# Altium PCB Board.PcbDoc
Units mm, origin at the board's own origin, x right, y up, seen from the top; angles counter-clockwise.
Board outline 26.34 x 50 mm, 4 copper layers (Top Layer, PWR, GND, Bottom Layer), stack 0.603 mm thick; 93 components, 67 nets, 367 pads, 188 vias.
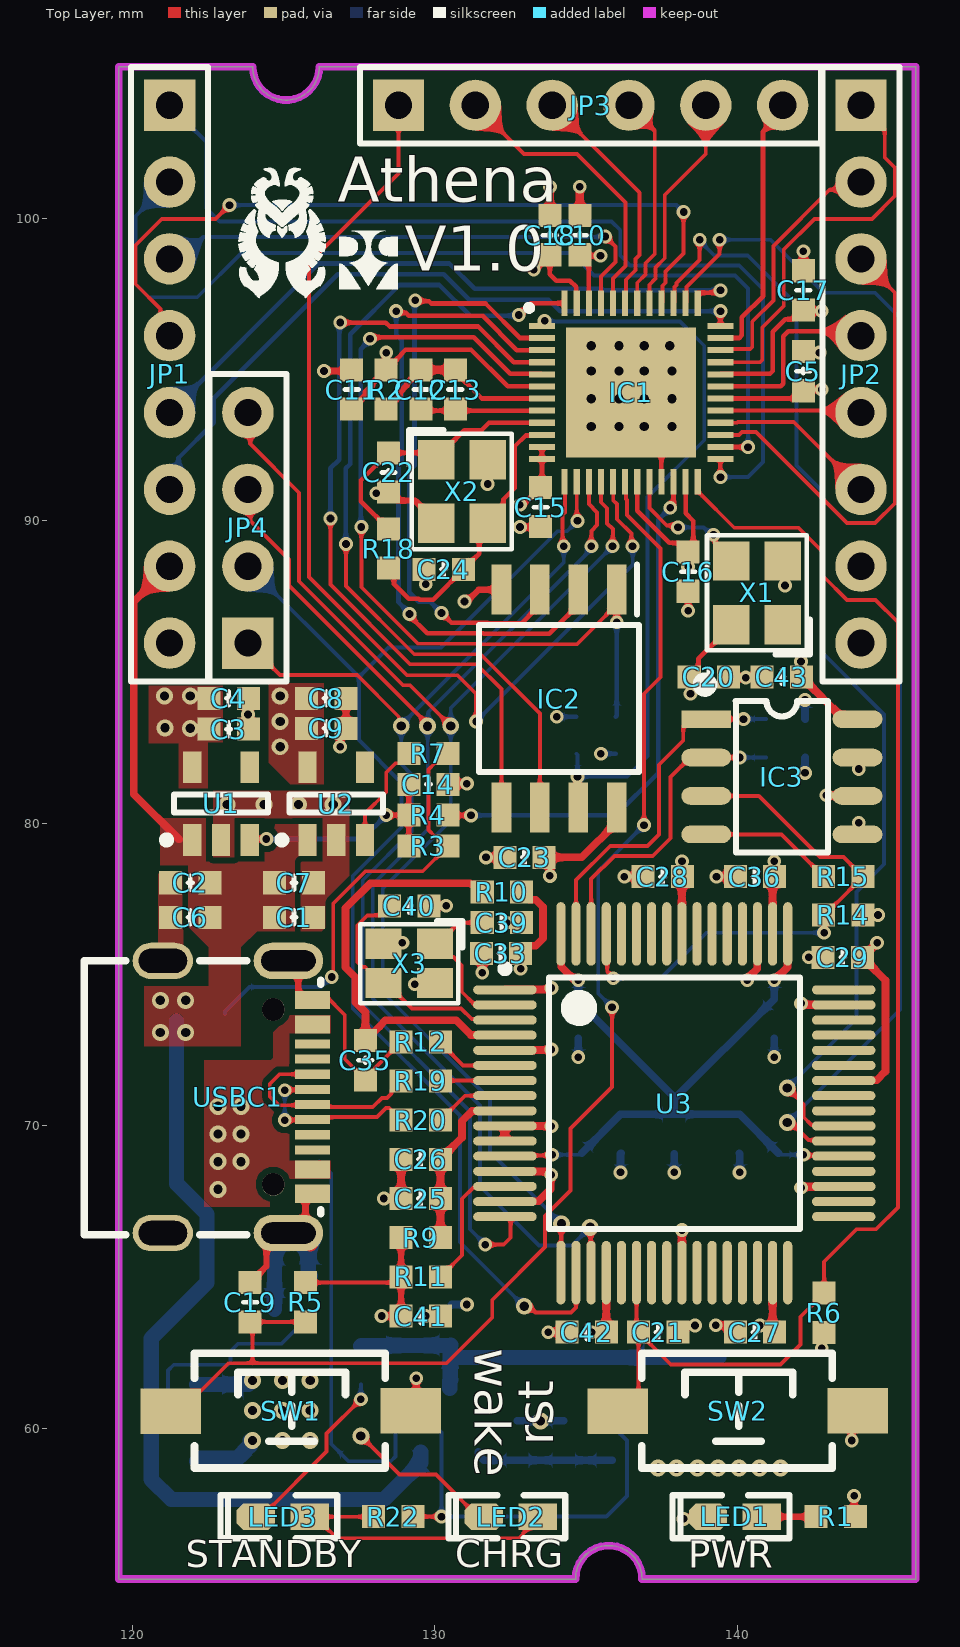
[diagram p0: Top Layer view]
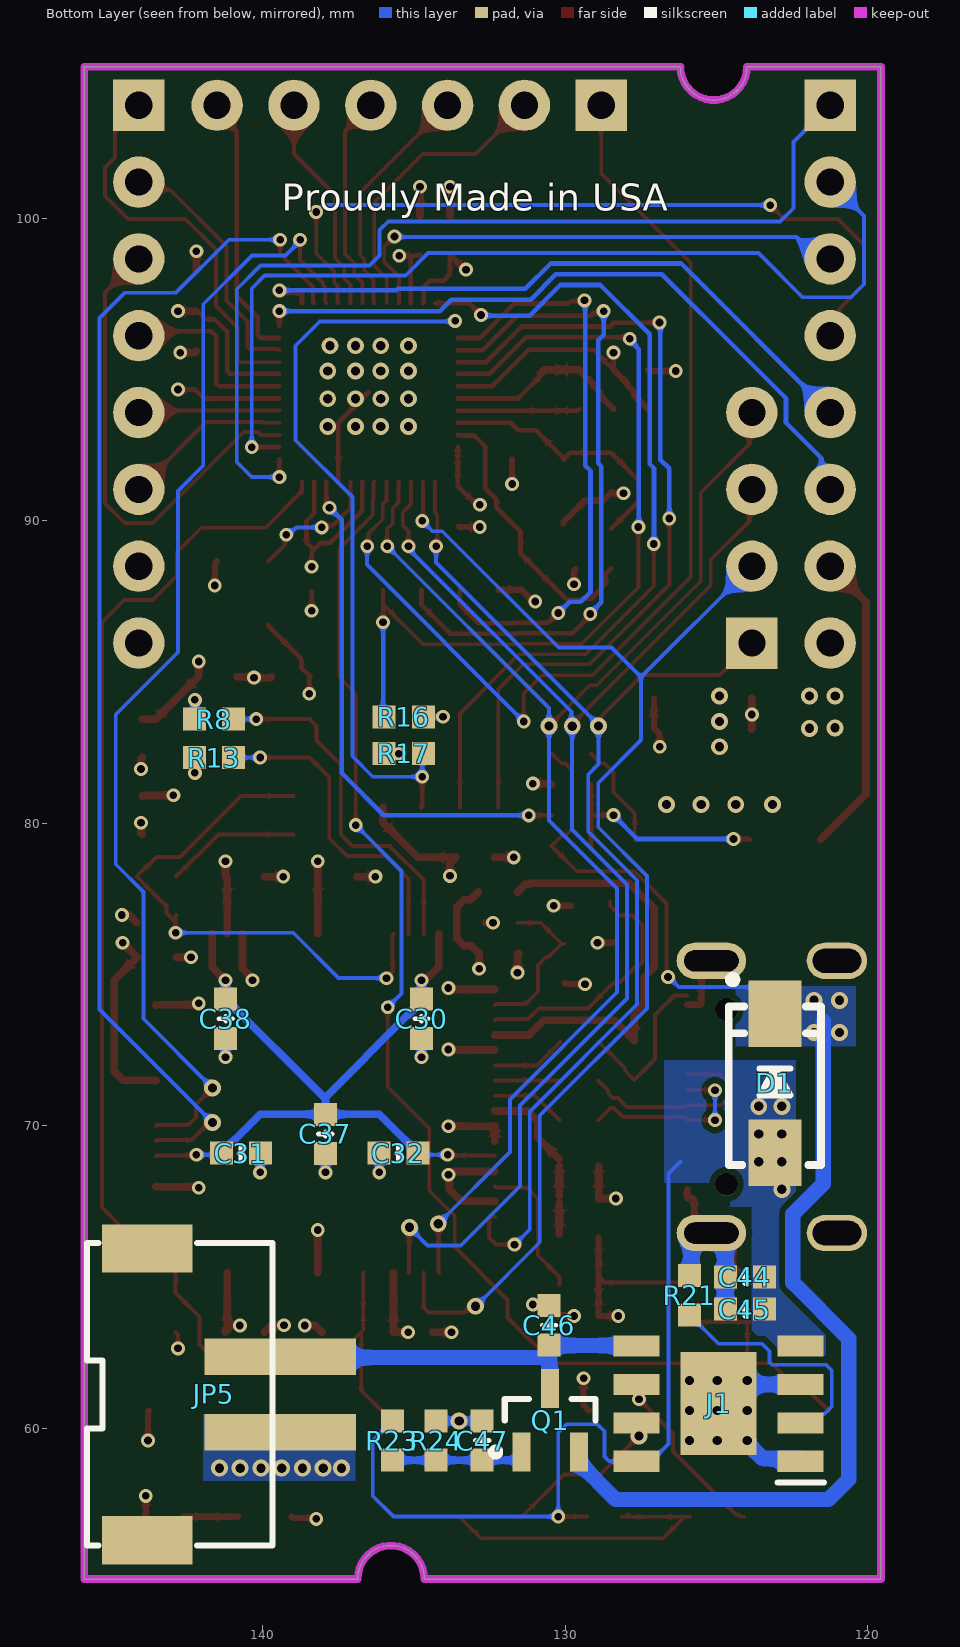
[diagram p1: Bottom Layer view, seen from below]
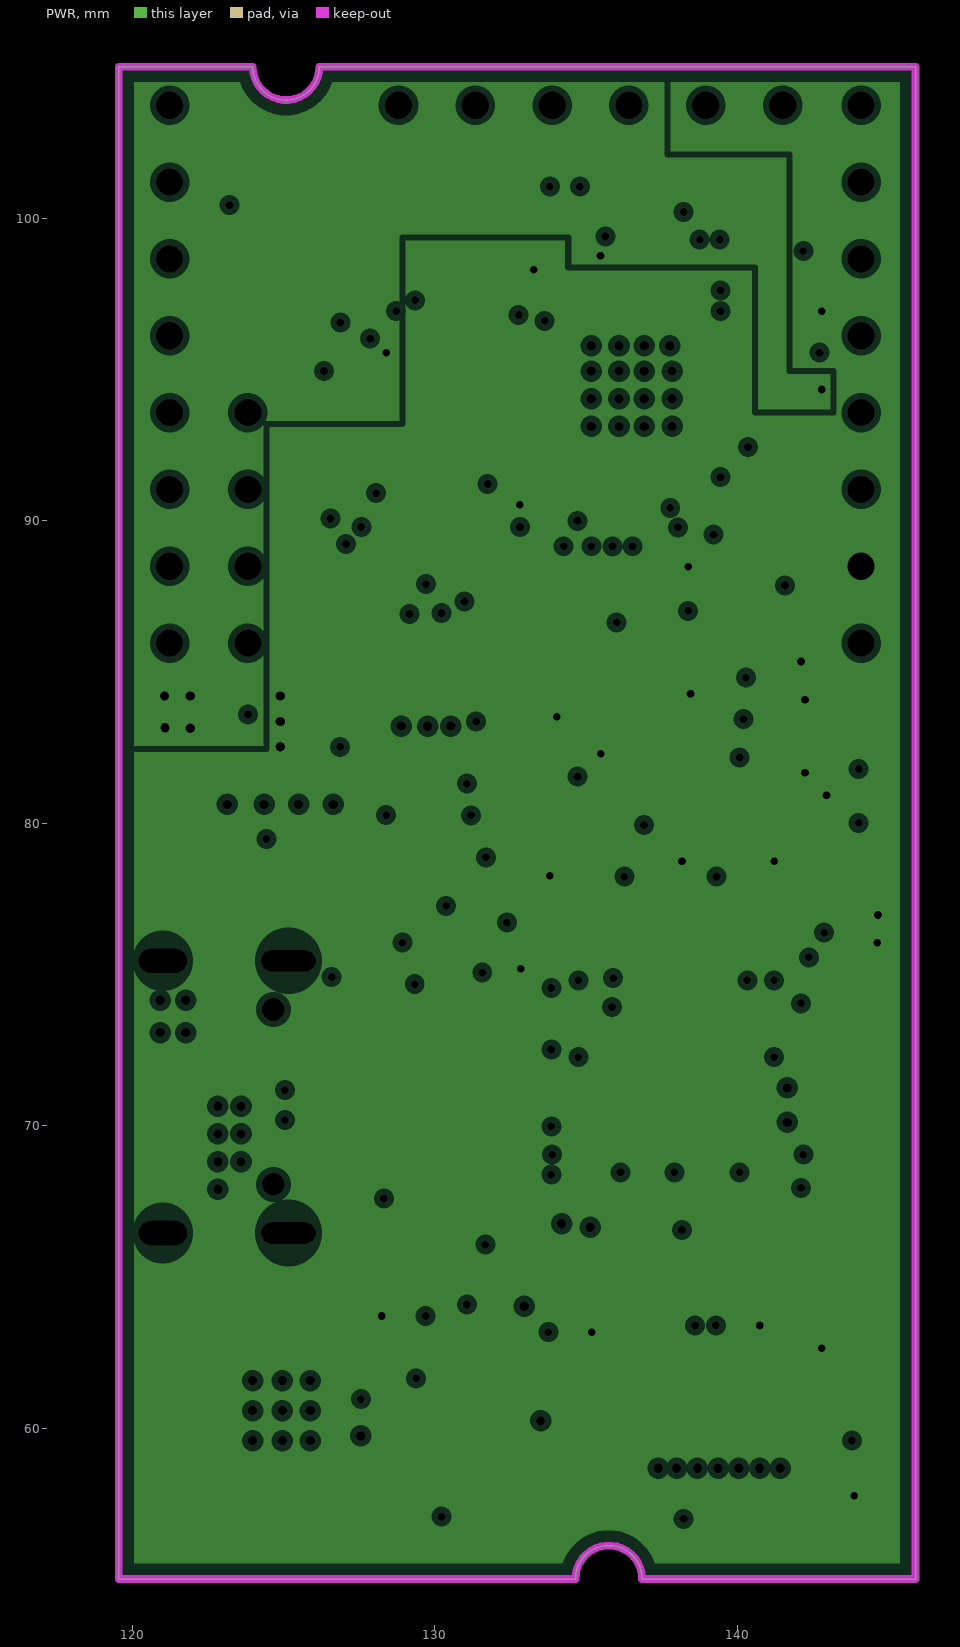
[diagram p2: PWR, clearances drawn from the general rule]
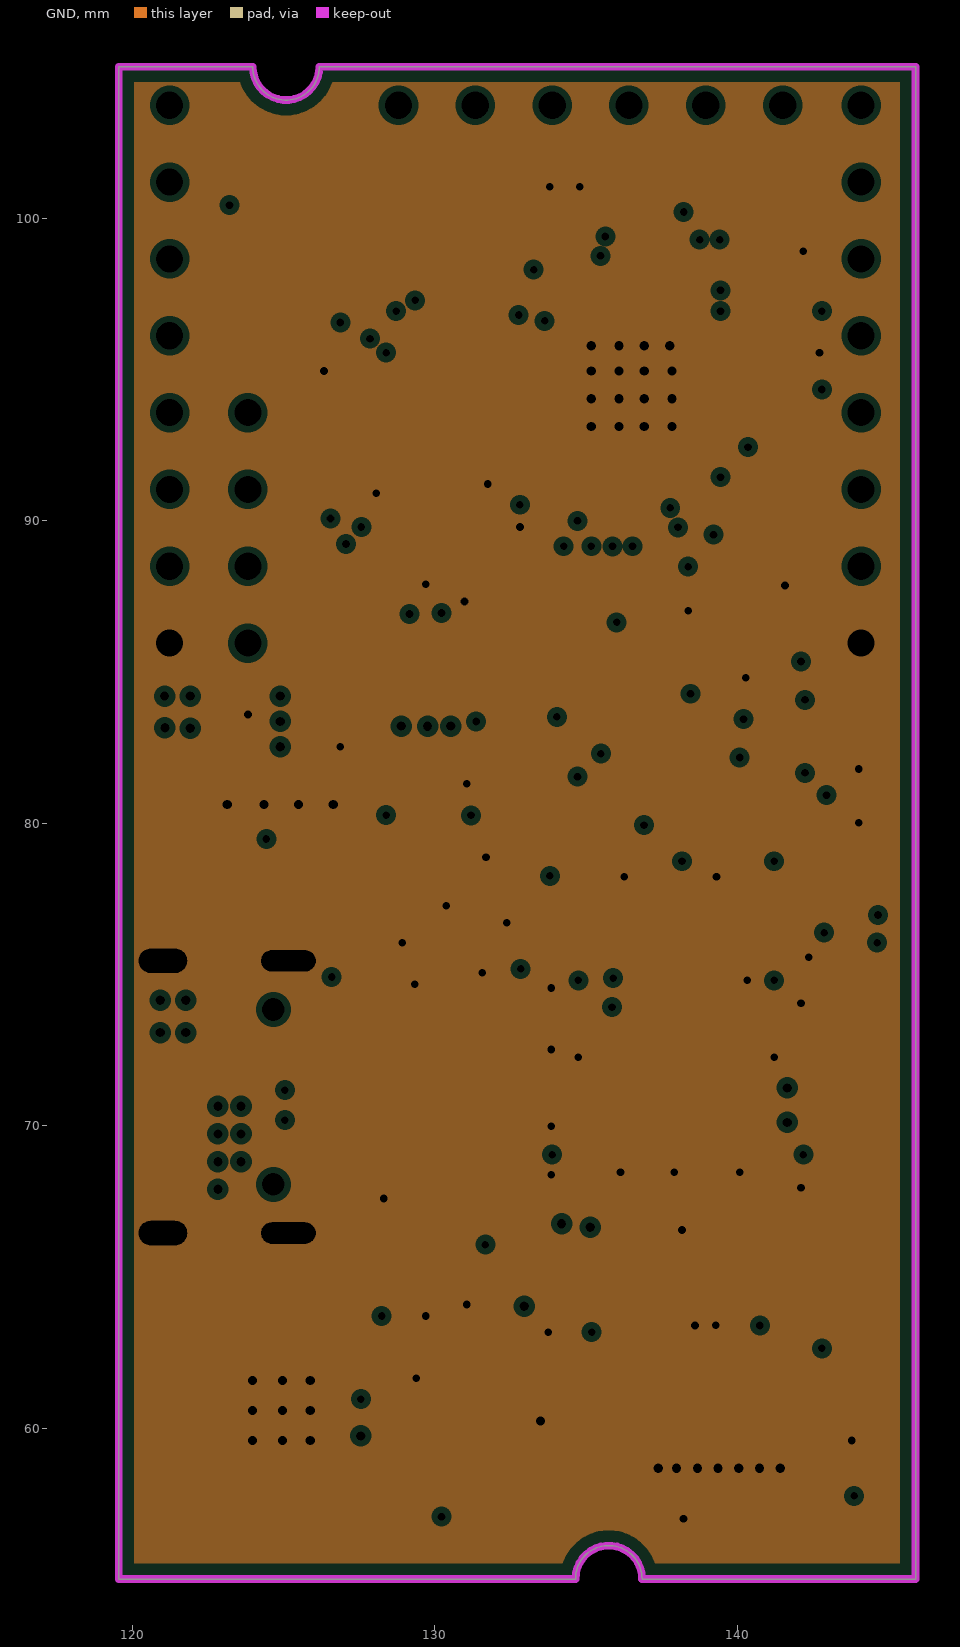
[diagram p3: GND, clearances drawn from the general rule]

## Layer stack, top to bottom
Top Solder: solder mask 0.0102, Solder Resist, Dk 3.5
Top Layer: signal copper 0.0356
Dielectric 2: prepreg 0.0711, PP-006, Dk 4.1
PWR: plane copper 0.035, net (Multiple Nets)
Dielectric 1: dielectric 0.32, FR-4, Dk 4.8
GND: plane copper 0.035, net GND
Dielectric 3: prepreg 0.0711, PP-006, Dk 4.1
Bottom Layer: signal copper 0.0356
Bottom Solder: solder mask 0.0102, Solder Resist, Dk 3.5

## Board outline
119.558,55.008 119.558,105.004 123.987,105.004 ccw(c125.087,105.004) 126.187,105.004 145.898,105.004 145.898,55.008 136.855,55.008 136.855,55.016 ccw(c135.755,55.016) 134.655,55.016 134.655,55.008

## Design rules (kind name [scope] priority, off if disabled: settings)
Clearance [All] p1: gap=0.203 ignorepadtopadclearanceinfootprint=TRUE
DiffPairsRouting [All] p1: maxlimit=0.254 minlimit=0.203 mostfreqgap=0.203 toplayer_minwidth=0.127 toplayer_maxwidth=0.381 toplayer_prefwidth=0.127 bottomlayer_minwidth=0.127 bottomlayer_maxwidth=0.381 bottomlayer_prefwidth=0.127 maxuncoupledlength=12.7
PlaneClearance [All] p1: clearance=0.203
PlaneConnect [All] p1: planeconnectstyle=Direct reliefexpansion=0.508 reliefentries=4 reliefconductorwidth=0.254 reliefairgap=0.254
PolygonConnect [All] p1: connectstyle=Direct reliefconductorwidth=0.254 reliefentries=4 polygonreliefangle="90 Angle" airgapwidth=0.254
RoomDefinition Main [InComponentClass('Main')] p1: confinementstyle=ConfineIn formatcopy=TRUE lockcomponents=FALSE outline 178.943,45.466 330.454,45.466 330.454,58.547 178.943,58.547
RoomDefinition Power [InComponentClass('Power')] p2: confinementstyle=ConfineIn formatcopy=TRUE lockcomponents=FALSE outline 178.943,59.69 251.587,59.69 251.587,66.548 178.943,66.548
RoomDefinition Debugger [InComponentClass('Debugger')] p3: confinementstyle=ConfineIn formatcopy=TRUE lockcomponents=FALSE outline 178.943,26.924 295.529,26.924 295.529,44.196 178.943,44.196
RoutingVias [All] p1: holewidth=0.254 width=0.457 viastyle="Through Hole" minholewidth=0.254 minwidth=0.457 maxholewidth=0.254 maxwidth=0.457
SolderMaskExpansion [All] p1: expansion=0.102 istentingtop=FALSE
Width [All] p1: maxlimit=0.508 minlimit=0.127 preferedwidth=0.127
27 further rules are at their usual default settings.

## Classes and differential pairs
component class Power: C1 C2 C3 C4 C5 C6 C7 C8 C9 C10 C11 C12 C13 C14 C15 C16 C17 C18 C44 C45 C46 C47 D1 J1 JP5 LED1 LED2 LED3 Q1 R1 R2 R3 R4 R7 R21 R22 R23 R24 U1 U2
component class Main: C19 C20 C21 C22 C23 C24 IC1 IC2 JP1 JP2 JP3 JP4 R5 R6 R16 R17 R18 SW1 SW2 X1 X2
component class Debugger: C25 C26 C27 C28 C29 C30 C31 C32 C33 C35 C36 C37 C38 C39 C40 C41 C42 C43 IC3 R8 R9 R10 R11 R12 R13 R14 R15 R19 R20 U3 USBC1 X3
differential pair USB_D: +USB_D_P -USB_D_N

## Components (designator, comment, footprint, x,y, rotation, side; value= is the part's Value field where it differs from the comment)
C1 "10uF" C0603_NS 125.349,76.886 r0 top
C2 "100nF" C0603_NS 121.92,78.029 r180 top
C3 "100nF" C0603_NS 123.19,83.109 r0 top
C4 "10uF" C0603_NS 123.19,84.125 r0 top
C5 "100nF" C0603_NS 142.189,94.945 r270 top
C6 "10uF" C0603_NS 121.92,76.886 r180 top
C7 "100nF" C0603_NS 125.349,78.029 r0 top
C8 "100nF" C0603_NS 126.416,84.125 r0 top
C9 "10uF" C0603_NS 126.416,83.134 r0 top
C10 "100nF" C0603_NS 134.798,99.441 r90 top
C11 "100nF" C0603_NS 127.254,94.336 r270 top
C12 "100nF" C0603_NS 129.54,94.336 r90 top
C13 "10uF" C0603_NS 130.683,94.336 r90 top
C14 "100nF" C0603_NS 129.794,81.28 r180 top
C15 "100nF" C0603_NS 133.502,90.449 r90 top
C16 "100nF" C0603_NS 138.379,88.316 r90 top
C17 "100nF" C0603_NS 142.189,97.612 r270 top
C18 "100nF" C0603_NS 133.807,99.441 r270 top
C19 "100nF" C0603_NS 123.901,64.16 r270 top
C20 "100nF" C0603_NS 139.065,84.836 r180 top
C21 "100nF" C0603_NS 137.389,63.17 r180 top
C22 "100nF" C0603_NS 128.473,91.592 r90 top
C23 "100nF" C0603_NS 132.969,78.867 r180 top
C24 "100nF" C0603_NS 130.302,88.392 r180 top
C25 "10uF" C0603_NS 129.54,67.589 r0 top
C26 "100nF" C0603_NS 129.54,68.885 r0 top
C27 "100nF" C0603_NS 140.589,63.17 r0 top
C28 "100nF" C0603_NS 137.541,78.232 r0 top
C29 "100nF" C0603_NS 143.495,75.565 r0 top
C30 "100nF" C0603_NS 134.747,73.533 r90 bottom
C31 "100nF" C0603_NS 140.716,69.088 r0 bottom
C32 "100nF" C0603_NS 135.509,69.088 r180 bottom
C33 "100nF" C0603_NS 132.192,75.692 r0 top
C35 "100nF" C0603_NS 127.711,72.161 r90 top
C36 "100nF" C0603_NS 140.589,78.232 r0 top
C37 "10uF" C0603_NS 137.922,69.723 r90 bottom
C38 "100nF" C0603_NS 141.224,73.533 r90 bottom
C39 "100nF" C0603_NS 132.222,76.708 r180 top
C40 "100nF" C0603_NS 129.159,77.267 r180 top
C41 "100nF" C0603_NS 129.54,63.703 r180 top
C42 "100nF" C0603_NS 135.026,63.17 r0 top
C43 "100nF" C0603_NS 141.478,84.836 r180 top
C44 "10uF" C0603_NS 124.054,64.999 r180 bottom
C45 "100nF" C0603_NS 124.054,63.932 r180 bottom
C46 "10uF" C0603_NS 130.531,63.398 r270 bottom
C47 "100nF" C0603_NS 132.74,59.588 r270 bottom
D1 "SS14" SMA 123.063,71.399 r90 bottom
IC1 "FE310-G002" QFN40P600X600X93-49N 136.496,94.237 r0 top
IC2 "W25Q32FWSSIG" SOIC127P790X216-8N 134.112,84.118 r270 top
IC3 "93C46" SOP8_L 141.478,81.534 r0 top
J1 "TP4056" SOIC127P600X175-9N 124.923,60.808 r0 bottom
JP1 "HDR-1X8" HDR2.54-M-LI-8P 121.234,94.844 r270 top
JP2 "HDR-1X8" HDR2.54-M-LI-8P 144.094,94.844 r270 top
JP3 "HDR-1X6" HDR2.54-LI-6P 135.153,103.734 r0 top
JP4 "HDR-1X4" HDR2.54-LI-4P 123.825,89.764 r90 top
JP5 "HDR-1X2" XH2.54-LS-2P 142.799,61.112 r90 bottom
LED1 "红色" LED0603_R 139.925,57.074 r180 top
LED2 "红色" LED0603_R 132.512,57.074 r180 top
LED3 "红色" LED0603_R 124.974,57.074 r180 top
Q1 "AO3401" SOT23-3N 130.495,60.257 r90 bottom
R1 "330R" R0603_NS 143.256,57.074 r180 top
R2 "100R" R0603_NS 128.397,94.336 r270 top
R3 "NC/100K" R0603_NS 129.794,79.248 r180 top
R4 "100K" R0603_NS 129.794,80.264 r180 top
R5 "100K" R0603_NS 125.73,64.16 r90 top
R6 "100K" R0603_NS 142.875,63.815 r270 top
R7 "100K" R0603_NS 129.794,82.296 r180 top
R8 "100K" R0603_NS 141.605,83.439 r0 bottom
R9 "5R" R0603_NS 129.54,66.294 r180 top
R10 "5R" R0603_NS 132.222,77.724 r0 top
R11 "100K" R0603_NS 129.54,64.999 r180 top
R12 "12K" R0603_NS 129.54,72.771 r0 top
R13 "100K" R0603_NS 141.605,82.169 r0 bottom
R14 "100K" R0603_NS 143.51,76.962 r0 top
R15 "2.2K" R0603_NS 143.51,78.232 r180 top
R16 "100K" R0603_NS 135.331,83.515 r180 bottom
R17 "100K" R0603_NS 135.331,82.296 r0 bottom
R18 "1M" R0603_NS 128.473,89.078 r90 top
R19 "33R" R0603_NS 129.54,71.475 r180 top
R20 "33R" R0603_NS 129.54,70.18 r180 top
R21 "1.2K" R0603_NS 125.882,64.389 r270 bottom
R22 "1K" R0603_NS 128.626,57.074 r0 top
R23 "100K" R0603_NS 135.712,59.588 r90 bottom
R24 "100K" R0603_NS 134.264,59.588 r270 bottom
SW1 "3x6x5" "SW SMD-3*6*2.5" 125.273,60.579 r0 top
SW2 "3x6x5" "SW SMD-3*6*2.5" 140.056,60.579 r0 top
U1 "RT9080-1.8" SOT-23-5 122.936,80.645 r90 top
U2 "RT9080-3.3" SOT-23-5 126.746,80.645 r90 top
U3 "FT2232HL-Reel" LQFP-64_M 137.922,70.739 r0 top
USBC1 "TYPE-C 2.0 -16P" USB-C-SMD_16P 123.488,70.948 r90 top
X1 "32.768K" OSC-3225-4P 140.653,87.613 r90 top
X2 "16M" XTAL-3225-4P 130.9,90.966 r270 top
X3 "12M" XTAL-2025-4P 129.159,75.362 r180 top

## Footprints (in the part's own frame and the unit in brackets; to place one, negate y for a bottom-side part, rotate by r counter-clockwise, add the part's x,y. Pads: shape width x height; smd on the part's side, far side on the other; paste and mask are expansions set on the pad)
C0603_NS [mil] "贴片MLCC电容-无丝印"
  rect 30x30 smd: 1(-25.59,0) 2(25.59,0)
  silkscreen extent -3,-9 3,9, body extent -31,-16 32,16, height 33
HDR2.54-LI-4P [mm] "排针，4脚"
  rect 1.7x1.7 hole 0.9: 1(-3.81,0)
  round 1.7 hole 0.9: 2(-1.27,0) 3(1.27,0) 4(3.81,0)
  silkscreen extent -5.08,-1.27 5.08,1.27, body extent -5.08,-1.27 5.08,1.27, height 2.54
HDR2.54-LI-6P [mm] "排针，6脚                        联系卖家 免费查找封装"
  rect 1.7x1.7 hole 0.9: 1(-6.35,0)
  round 1.7 hole 0.9: 2(-3.81,0) 3(-1.27,0) 4(1.27,0) 5(3.81,0) 6(6.35,0)
  silkscreen extent -7.62,-1.27 7.62,1.27, body extent -7.62,-1.27 7.62,1.27, height 2.54
HDR2.54-M-LI-8P [mm] "排母，8脚"
  rect 1.7x1.7 hole 0.9: 1(-8.89,0)
  round 1.7 hole 0.9: 2(-6.35,0) 3(-3.81,0) 4(-1.27,0) 5(1.27,0) 6(3.81,0) 7(6.35,0) 8(8.89,0)
  silkscreen extent -10.16,-1.27 10.16,1.27, body extent -10.16,-1.27 10.16,1.27, height 8.5
LED0603_R [mil] "红色0603LED"
  rect 50x35 smd: 1(-35,0.26)
  oct 50x35 smd: 2(35,0.26)
  silkscreen extent -71,-28 81,28, body extent -32,-16 31,16, height 18
LQFP-64_M [mm] "Thin QFP, 64-Leads, Body 10x10mm, Pitch 0.5mm, IPC Low Density"
  oval 2.1x0.3 smd: 1(-5.6,3.75) 2(-5.6,3.25) 3(-5.6,2.75) 4(-5.6,2.25) 5(-5.6,1.75) 6(-5.6,1.25) 7(-5.6,0.75) 8(-5.6,0.25) 9(-5.6,-0.25) 10(-5.6,-0.75) 11(-5.6,-1.25) 12(-5.6,-1.75) 13(-5.6,-2.25) 14(-5.6,-2.75) 15(-5.6,-3.25) 16(-5.6,-3.75) 33(5.6,-3.75) 34(5.6,-3.25) 35(5.6,-2.75) 36(5.6,-2.25) 37(5.6,-1.75) 38(5.6,-1.25) 39(5.6,-0.75) 40(5.6,-0.25) 41(5.6,0.25) 42(5.6,0.75) 43(5.6,1.25) 44(5.6,1.75) 45(5.6,2.25) 46(5.6,2.75) 47(5.6,3.25) 48(5.6,3.75)
  oval 0.3x2.1 smd: 17(-3.75,-5.6) 18(-3.25,-5.6) 19(-2.75,-5.6) 20(-2.25,-5.6) 21(-1.75,-5.6) 22(-1.25,-5.6) 23(-0.75,-5.6) 24(-0.25,-5.6) 25(0.25,-5.6) 26(0.75,-5.6) 27(1.25,-5.6) 28(1.75,-5.6) 29(2.25,-5.6) 30(2.75,-5.6) 31(3.25,-5.6) 32(3.75,-5.6) 49(3.75,5.6) 50(3.25,5.6) 51(2.75,5.6) 52(2.25,5.6) 53(1.75,5.6) 54(1.25,5.6) 55(0.75,5.6) 56(0.25,5.6) 57(-0.25,5.6) 58(-0.75,5.6) 59(-1.25,5.6) 60(-1.75,5.6) 61(-2.25,5.6) 62(-2.75,5.6) 63(-3.25,5.6) 64(-3.75,5.6)
  silkscreen extent -5.72,-4.15 4.15,4.57, body extent -5,-5 5,5, height 1.6
OSC-3225-4P [mm] "3.2*2.5*0.7mm(长宽高)                             淘宝ID:黄晶宝石"
  rect 1.3x1.2 smd: 1(-1.05,-0.85) 2(1.05,-0.85) 3(1.05,0.85) 4(-1.05,0.85)
  silkscreen extent -2.03,-1.75 1.91,1.65, body extent -1.6,-1.25 1.6,1.25, height 0.7
QFN40P600X600X93-49N [mm] "48脚，长x宽x高：7x7x1mm，脚距：0.5mm"
  rect 0.85x0.2 smd: 1(-2.95,2.2) 2(-2.95,1.8) 3(-2.95,1.4) 4(-2.95,1) 5(-2.95,0.6) 6(-2.95,0.2) 7(-2.95,-0.2) 8(-2.95,-0.6) 9(-2.95,-1) 10(-2.95,-1.4) 11(-2.95,-1.8) 12(-2.95,-2.2) 25(2.95,-2.2) 26(2.95,-1.8) 27(2.95,-1.4) 28(2.95,-1) 29(2.95,-0.6) 30(2.95,-0.2) 31(2.95,0.2) 32(2.95,0.6) 33(2.95,1) 34(2.95,1.4) 35(2.95,1.8) 36(2.95,2.2)
  rect 0.2x0.85 smd: 13(-2.2,-2.95) 14(-1.8,-2.95) 15(-1.4,-2.95) 16(-1,-2.95) 17(-0.6,-2.95) 18(-0.2,-2.95) 19(0.2,-2.95) 20(0.6,-2.95) 21(1,-2.95) 22(1.4,-2.95) 23(1.8,-2.95) 24(2.2,-2.95) 37(2.2,2.95) 38(1.8,2.95) 39(1.4,2.95) 40(1,2.95) 41(0.6,2.95) 42(0.2,2.95) 43(-0.2,2.95) 44(-0.6,2.95) 45(-1,2.95) 46(-1.4,2.95) 47(-1.8,2.95) 48(-2.2,2.95)
  rect 4.3x4.3 smd: 49(0,0)
  silkscreen extent -3.47,2.7 -3.27,2.9, body extent -3.05,-3.05 3.05,3.05, height 0.93
R0603_NS [mil] "1/10W贴片电阻-无丝印"
  rect 30x30 smd: 1(-25.59,0) 2(25.59,0)
  body extent -31,-16 32,16, height 16
SMA [mm] "4.5x2.6*2.2mm（长宽高，不包括引脚）联系卖家 免费查找封装"
  rect 2.2x1.75 smd: 1(-2.3,0) 2(2.3,0)
  silkscreen extent -2.7,-1.52 3.56,1.52, body extent -2.55,-1.3 2.55,1.3, height 2.15
SOIC127P600X175-9N [mm]
  rect 1.525x0.7 smd: 1(-2.712,1.905) 2(-2.712,0.635) 3(-2.712,-0.635) 4(-2.712,-1.905) 5(2.712,-1.905) 6(2.712,-0.635) 7(2.712,0.635) 8(2.712,1.905)
  rect 2.513x3.402 smd: 9(0,0)
  silkscreen extent -3.47,2.61 -1.95,2.61, body extent -3,-2.45 3,2.45, height 1.75
SOIC127P790X216-8N [mm]
  rect 1.65x0.65 smd: 1(-3.6,1.905) 2(-3.6,0.635) 3(-3.6,-0.635) 4(-3.6,-1.905) 5(3.6,-1.905) 6(3.6,-0.635) 7(3.6,0.635) 8(3.6,1.905)
  silkscreen extent -4.43,-2.64 2.42,2.64, body extent -3.95,-2.64 3.95,2.64, height 2.16
SOP8_L [mil] "5*6*1.8mm（长宽高）"
  rect 65x23 smd: 1(-98.43,75)
  oval 65x23 smd: 2(-98.43,25) 3(-98.43,-25) 4(-98.43,-75) 5(98.43,-75) 6(98.43,-25) 7(98.43,25) 8(98.43,75)
  silkscreen extent -106,-98 60,126, body extent -118,-98 118,98, height 75
SOT23-3N [mm] "SOT23, 3-Leads, Body 2.9x1.3mm, Pitch 0.95mm, Lead Span 2.4mm, IPC Medium Density"
  rect 1.3x0.6 smd: 1(-1.05,0.95) 2(-1.05,-0.95) 3(1.05,0)
  silkscreen extent -1.17,-1.5 0.7,1.93, body extent -1.2,-1.5 1.2,1.5, height 1.05
SOT-23-5 [mm] "SOT23, 5-Leads, Body 2.9x1.6mm, Pitch 0.95mm, IPC Medium Density"
  rect 1.05x0.6 smd: 1(-1.2,0.95) 2(-1.2,0) 3(-1.2,-0.95) 4(1.2,-0.95) 5(1.2,0.95)
  silkscreen extent -1.32,-1.55 0.3,1.92, body extent -1.4,-1.5 1.4,1.5, height 1.15
"SW SMD-3*6*2.5" [mm] "3*6*2.5mm"
  rect 2x1.5 smd: 1(-3.996,-0.02) 2(3.937,0)
  silkscreen extent -3.21,-1.9 3.09,1.9, body extent -4,-1.75 4,1.75, height 2.59
USB-C-SMD_16P [mm] "封装库来自淘宝ID:黄晶宝石"
  oval 1.2x2.3 hole 0.7 slot 1.8 at 90 deg: 0(-4.5,-1.675) 0(4.5,-1.675)
  oval 1.2x2 hole 0.8 slot 1.6 at 90 deg: 0(-4.5,2.475) 0(4.5,2.475)
  rect 0.3x1.15 smd: A1(3.35,-2.473) A4(2.55,-2.471) A5(1.25,-2.475) A6(0.25,-2.475) A7(-0.25,-2.473) A9(-2.55,-2.475) A12(-3.35,-2.475) B1(-3.05,-2.475) B4(-2.25,-2.475) B5(-1.75,-2.475) B6(-0.75,-2.475) B7(0.75,-2.473) B9(2.25,-2.471) B12(3.05,-2.473)
  rect 0.3x1.148 smd: A8(1.75,-2.475) B8(-1.25,-2.475)
  round 0.75 hole 0.75 unplated: ""(-2.89,-1.175) ""(2.89,-1.175)
  silkscreen extent -4.56,-2.75 4.5,5.08, body extent -4.45,-2.87 4.49,5.03, height 3.25
XH2.54-LS-2P [mm] "长：10mm，宽：6mm，高：8.3mm    淘宝ID:黄晶宝石   店铺网址:https://shop463601444.taobao.com"
  rect 1.6x3 smd: 0(-4.826,1.016) 0(4.826,1.016)
  rect 1.2x5 smd: 1(-1.25,-3.383) 2(1.25,-3.383)
  silkscreen extent -5,-3.13 5,3, body extent -5,-6 5,3
XTAL-2025-4P [mm] "2*2.5*0.55mm(长宽高)"
  rect 1.2x1 smd: 1(-0.85,-0.65) 2(0.85,-0.65) 3(0.85,0.65) 4(-0.85,0.65)
  silkscreen extent -1.75,-1.4 1.63,1.32, body extent -1.25,-1 1.25,1, height 0.55
XTAL-3225-4P [mm] "3.2*2.5*0.7mm(长宽高)                             淘宝ID:黄晶宝石"
  rect 1.3x1.2 smd: 1(-1.05,-0.85) 2(1.05,-0.85) 3(1.05,0.85) 4(-1.05,0.85)
  silkscreen extent -2.03,-1.75 1.91,1.65, body extent -1.6,-1.25 1.6,1.25, height 0.7

## Part data
C1 C2 C3 C4 C5 C6 C7 C8 C9 C10 C11 C12 C13 C14 C15 C16 C17 C18 C19 C20 C21 C22 C23 C24 C25 C26 C27 C28 C29 C30 C31 C32 C33 C35 C36 C37 C38 C39 C40 C41 C42 C43 C44 C45 C46 C47: library part C, "贴片电容/MLCC电容", BOM名称=无极性贴片电容, 联系卖家，免费查找封装=唯一出售店铺网址https://shop463601444.taobao.com
D1: "肖特基二极管", BOM名称=肖特基二极管, 以赠品形式获赠本封装库的买家，还可联系卖家免费指导AD软件使用=封装库来自淘宝卖家ID：黄晶宝石, 属性=40V/1A
IC1: "Integrated Circuit", Manufacturer_Name=SiFive, Datasheet Link=https://sifive.cdn.prismic.io/sifive%2F3d777659-a0dd-49ed-a011-5bebba17aecf_fe310-g002-ds.pdf, Height=0.93mm, Manufacturer_Part_Number=FE310-G002
IC2: "Integrated Circuit", Manufacturer_Name=Winbond, Mouser Part Number=454-W25Q32FWSSIG, Arrow Part Number=W25Q32FWSSIG, Arrow Price/Stock=https://www.arrow.com/en/products/w25q32fwssig/winbond-electronics, Datasheet Link=http://www.winbond.com/resource-files/w25q32fw%20revj%2004242018%20sfdp.pdf, Height=2.16mm, Manufacturer_Part_Number=W25Q32FWSSIG, Mouser Price/Stock=https://www.mouser.com/Search/Refine.aspx?Keyword=454-W25Q32FWSSIG
IC3: "外置EEPROM", BOM名称=外置EEPROM, 联系卖家 免费查找封装=唯一出售店铺网址https://shop463601444.taobao.com
J1: "Connector", Manufacturer_Name="NanJing Top Power", Datasheet Link=https://dlnmh9ip6v2uc.cloudfront.net/datasheets/Prototyping/TP4056.pdf, Height=1.75mm, Manufacturer_Part_Number=TP4056
JP1 JP2: library part "Header 8", "8P接插件", BOM名称=8P接插件, 封装库来自淘宝卖家ID:黄晶宝石=其他店铺购入均为盗版假冒封装库，请立即申请退款，本店现金奖励20~200元, 联系卖家，免费查找封装=唯一出售店铺网址https://shop463601444.taobao.com
JP3: library part "Header 6", "6P接插件", BOM名称=6P接插件, 封装库来自淘宝卖家ID:黄晶宝石=其他店铺购入均为盗版假冒封装库，请立即申请退款，本店现金奖励20~200元, 联系卖家，免费查找封装=唯一出售店铺网址https://shop463601444.taobao.com
JP4: library part "Header 4", "4P接插件", BOM名称=4P接插件, 封装库来自淘宝卖家ID:黄晶宝石=其他店铺购入均为盗版假冒封装库，请立即申请退款，本店现金奖励20~200元, 联系卖家，免费查找封装=唯一出售店铺网址https://shop463601444.taobao.com
JP5: library part "Header 2", "2P接插件", BOM名称=2P接插件, 封装库来自淘宝卖家ID:黄晶宝石=其他店铺购入均为盗版假冒封装库，请立即申请退款，本店现金奖励20~200元, 联系卖家，免费查找封装=唯一出售店铺网址https://shop463601444.taobao.com
LED1 LED2 LED3: library part LED-SMD, "贴片LED", BOM名称=贴片LED, 封装库来自淘宝卖家ID：黄晶宝石=其他店铺购入均为盗版封装库，请立即申请退款，本店现金奖励20~200元
Q1: "P沟道 30V/4.2A", 8元以下特价购入的买家=还可以联系卖家远程指导AD软件使用, BOM名称=场效应管, 参数="P沟道 30V/4.2A"
R1 R2 R3 R4 R5 R6 R7 R8 R9 R10 R11 R12 R13 R14 R15 R16 R17 R18 R19 R20 R21 R22 R23 R24: library part R, "贴片电阻", BOM名称=贴片电阻, 联系卖家，免费查找封装=唯一出售店铺网址https://shop463601444.taobao.com
SW1 SW2: library part "SW 3x6", "3x6轻触开关", BOM名称=3x6轻触开关, 封装库来自淘宝卖家ID：黄晶宝石=其他店铺购入的，请立即申请退款，本店现金奖励20~500元, 联系卖家，免费查找封装=唯一出售店铺网址https://shop463601444.taobao.com
U1 U2: library part RT9193-18GB, "LDO 1.8V/0.3A", BOM名称=RT9193-18GB, 封装库来自淘宝卖家ID：黄晶宝石=其他店铺购入的买家，请立即申请退款，本店现金奖励20~1000元, 芯片厂商=RICHTEK
U3: library part CMP-0078-00023-3, "Dual High Speed USB To Multipurpose UART/FIFO IC, 64-pin LQFP, Tape and Reel", Manufacturer=FTDI, ComponentLink1Description="Manufacturer URL", ComponentLink1URL=http://www.ftdichip.com/, ComponentLink2Description=Datasheet, ComponentLink2URL=http://www.ftdichip.com/Support/Documents/DataSheets/ICs/DS_FT2232H.pdf, DatasheetVersion="ver 2.21, Jun-2012", PackageDescription="64-Pin Thin Quad Flat Pack, 10 x 10 x 1.4 mm Body, 0.5 mm Pitch", PackageReference=LQFP-64, PackageVersion=Jun-12, PartNumber=FT2232HL-Reel, RevisionNote="DatasheetVersion updated to 2.21 Jun-2012"
USBC1: library part USB2.0_Type-C_16Pin, "USB2.0_Type-C_16Pin母座", 联系卖家 免费技术支持=封装库来自淘宝卖家ID：黄晶宝石
X1: library part XTAL-ACT-4P, "4脚有源晶振(振荡器)", BOM名称=有源晶振(振荡器), 联系卖家，免费查找封装=唯一出售店铺网址https://shop463601444.taobao.com
X2 X3: library part XTAL-4P, "4脚无源晶振(谐振器）", BOM名称=4脚无源晶振(谐振器）, 联系卖家，免费查找封装=唯一出售店铺网址https://shop463601444.taobao.com

## Via types
v1: diameter 0.457, hole 0.254, Top Layer to Bottom Layer, 124 vias
v2: diameter 0.559, hole 0.305, Top Layer to Bottom Layer, 64 vias
